# Altium PCB ccd_bottom.PcbDoc (part 3 of 3)
Units mil, origin at the board's own origin, x right, y up, seen from the top; angles counter-clockwise.
Board outline 3937.01 x 3937.01 mil, 4 copper layers (Top Layer, GND2, PWR3, Bottom Layer), stack 72.967 mil thick; 128 components, 168 nets, 680 pads, 683 vias.
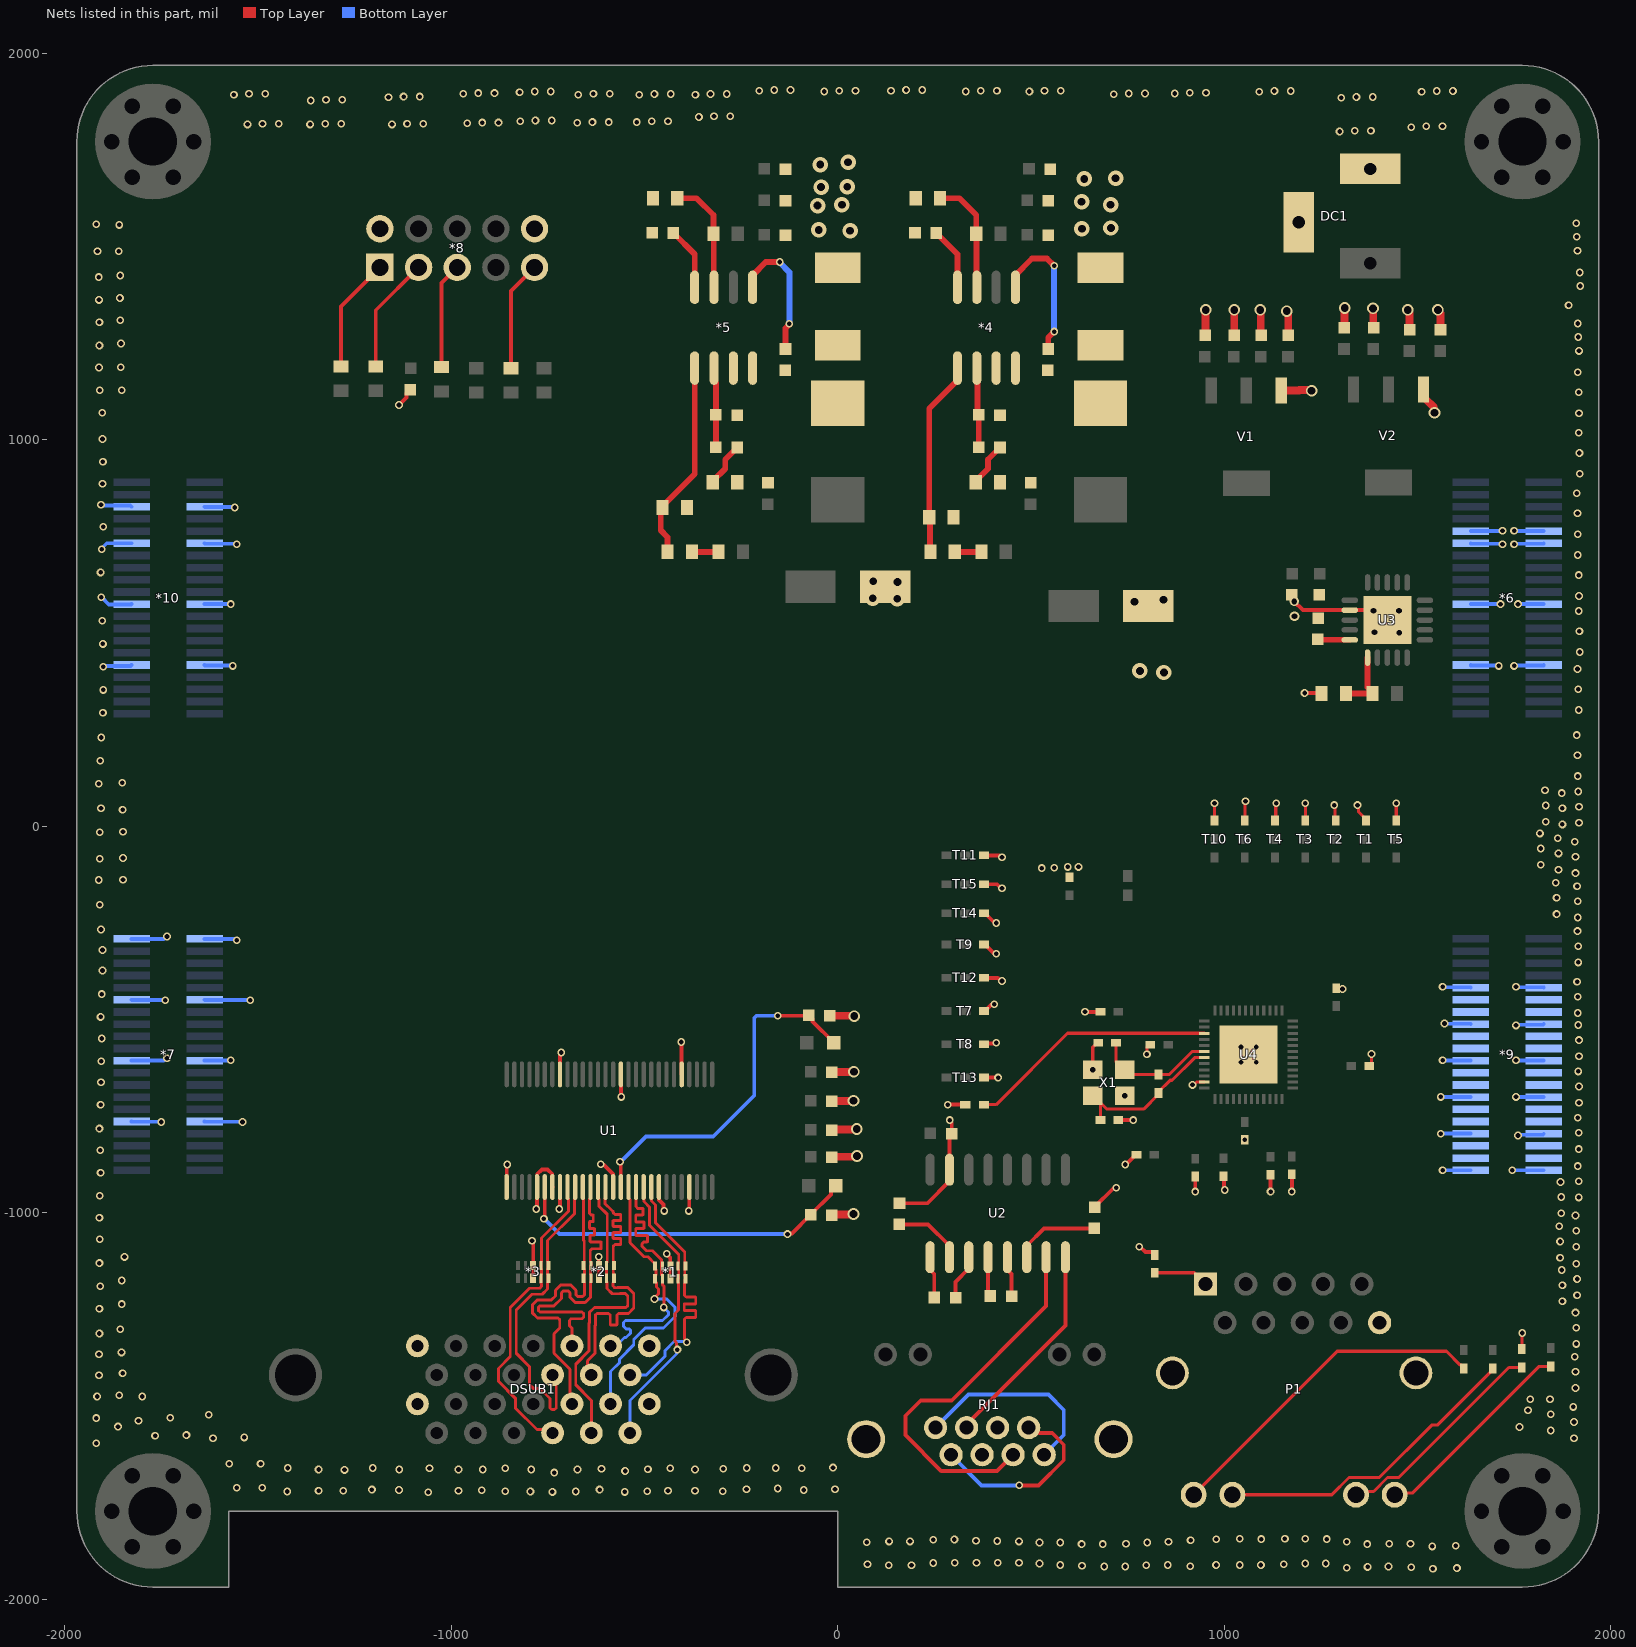
[diagram p5: the nets of this part, all layers, seen from the top]

## Via types
v1: diameter 20, hole 12, Top Layer to Bottom Layer, 590 vias
v2: diameter 25, hole 15, Top Layer to Bottom Layer, 39 vias
v3: diameter 40, hole 20, Top Layer to Bottom Layer, 28 vias
v4: diameter 30, hole 20, Top Layer to Bottom Layer, 22 vias
v5: diameter 24, hole 12, Top Layer to Bottom Layer, tented both sides, 4 vias

## Nets (pads, with @x,y where several pads share a name; then routed paths per layer and width w, separated by ;. In a path a pad name is that pad's centre, name@x,y a point inside that pad or via, vN(x,y) a via of type N, cw(c..) or ccw(c..) an arc to the next point about the centre after c; other vN are vias at no path point) (continued)
GND: *1.3 *1.8 *2.3 *2.8 *3.3 *3.8 *4.7 *5.7 *6.9 *6.10 *6.11 *6.12 *6.21 *6.22 *6.31 *6.32 *7.9 *7.10 *7.19 *7.20 *7.29 *7.30 *7.39 *7.40 *8.2 *8.10 *9.9 *9.10 *9.15 *9.16 *9.21 *9.22 *9.27 *9.28 *9.33 *9.34 *9.39 *9.40 *10.9 *10.10 *10.19 *10.20 *10.29 *10.30 *10.35 *10.36 C1.1 C2.1 C3.1 C4.1 C5.1 C6.1 C7.1 C9.1 C10.1 C13.1 C14.1 C15.1 C16.1 C18.1 C19.1 C20.1 C21.1 C22.1 C23.1 C25.1 C26.1 C27.1 C28.1 C29.1 C30.1 C31.1 C32.1 C34.1 C35.1 C36.1 C37.1 C38.1 C39.1 C40.2 C41.1 C42.1 C43.1 C44.1 C45.1 C46.1 C47.1 C48.1 C49.1 C50.1 C51.1 C52.1 C53.1 D1.A D2.A DC1.2 DC1.3 DSUB1.1 DSUB1.13 DSUB1.14 DSUB1.26 EC1.2 EC2.2 P1.10 P1.15 P1.16 R3.1 R5.1 R6.1 R9.1 R11.1 R12.2 R13.1 R24.2 R25.2 RJ1.4 RJ1.5 RJ1.13 RJ1.14 T1.2 T2.2 T3.2 T4.2 T5.2 T6.2 T7.2 T8.2 T9.2 T10.2 T11.2 T12.2 T13.2 T14.2 T15.2 U1.5 U1.13 U1.21 U1.29 U1.33 U1.35 U1.36 U1.43 U1.49 U1.53 U2.15 U3.12 U3.21 U4.47 U4.49 V1.1 V2.1 X1.2 X1.4 | length 6831.9
  Top Layer w8: v1(800,-590) 800.5,-589.5 800.5,-571 806.5,-565 C46.1@809,-565 ; v1(918,-668.96) 921.25,-668.96 928.72,-661.48 948.46,-661.48 U4.47@948.52,-661.42 ; T10.2@975,15 v1(975,60) ; T6.2@1053.33,15 1054.17,15.83 1054.17,64.17 v1(1055,65) ; T4.2@1131.67,15 1133.33,16.67 1133.33,58.33 v1(1135,60) ; T3.2@1210,15 v1(1210,60) ; v1(1285,55) 1286.67,53.33 1286.67,16.67 T2.2@1288.33,15 ; C43.1@1290,-419 1292,-421 v1(1306,-421) ; v1(1345,55) 1347.3,52.7 1347.3,37.37 1366.67,18 T1.2@1366.67,15 ; C48.1@1375,-620 1381,-614 v1(1381,-589) ; T5.2@1445,15 v1(1445,60) ; R25.2@1770,-1352 1770.5,-1351.5 1770.5,-1311.5 v1(1771,-1311)
  Top Layer w10: v1(-1135,1090) -1116,1109 -1116,1120 C39.1@-1106,1130 ; U1.29@-856.3,-933.07 -856.11,-932.88 -856.11,-876.11 v1(-855,-875) ; v1(-791,-1072) -791,-1074.71 -787.7,-1078.01 *3.8@-787.7,-1169 ; v1(-780,-990) -780,-987.29 -777.56,-984.86 U1.33@-777.56,-933.07 -777.37,-932.88 -777.37,-899.85 -765.12,-887.61 -750.62,-887.61 -738.39,-899.84 -738.39,-932.88 U1.35@-738.19,-933.07 ; v1(-720,-990) -718.7,-988.7 -718.7,-933.27 U1.36@-718.5,-933.07 ; U1.21@-718.5,-641.73 -718.5,-591.21 -715,-587.71 v1(-715,-585) ; *2.8@-618,-1169 v1(-618,-1113.61) ; v1(-613,-874) -611.09,-875.91 -604.83,-875.91 -580.91,-899.84 -580.91,-932.88 U1.43@-580.71,-933.07 ; U1.13@-561.02,-641.73 -560.83,-641.93 -560.83,-699.17 v1(-560,-700) ; U1.49@-462.6,-933.07 -462.41,-933.27 -462.41,-966.3 -450.62,-978.08 -450.62,-993.09 v1(-448.71,-995) ; v1(-442.08,-1106.08) -442.08,-1107.48 -433,-1116.55 *1.8@-433,-1170.3 ; v1(-405,-558) -403.74,-559.26 -403.74,-641.54 U1.5@-403.54,-641.73 ; v1(-385,-995) -384.06,-994.06 -384.06,-933.27 U1.53@-383.86,-933.07 ; C9.1@160,-975 232.02,-975 289.21,-917.81 U2.15@289.21,-888.28 289.21,-800.79 C7.1@295,-795 295,-767.71 290,-762.71 v1(290,-760) ; v1(285,-720) R24.2@330,-720 ; T13.2@378,-650 v1(415,-650) ; T8.2@378,-564 380.09,-561.91 408.09,-561.91 v1(410,-560) ; T7.2@378,-478 381,-478 397.09,-461.91 403.09,-461.91 v1(405,-460) ; T12.2@378,-392 414.29,-392 422.29,-400 v1(425,-400) ; T9.2@378,-306 381,-306 403.09,-328.09 408.09,-328.09 v1(410,-330) ; T14.2@378,-225 381,-225 404.09,-248.09 408.09,-248.09 v1(410,-250) ; T15.2@378,-150 412.29,-150 422.29,-160 v1(425,-160) ; T11.2@378,-75 417.29,-75 422.29,-80 v1(425,-80) ; v1(640,-480) C53.1@680,-480 ; v2(660,-630) 660,-571.5 671.5,-560 C41.1@674,-560 ; C10.1@664.65,-985.21 712.94,-936.91 719.09,-936.91 v1(721,-935) ; C42.1@726,-760 v1(765,-760) ; v1(744,-875) 745.5,-875 770.5,-850 C47.1@773,-850 ; v1(780,-1088) 782.71,-1088 796.21,-1101.5 815,-1101.5 820,-1106.5 C40.2@820,-1109 ; v1(925,-945) C49.1@925,-906 ; C52.1@998,-909 999.6,-910.61 999.6,-939.18 v1(1001.21,-940.79) ; v1(1120,-945) C50.1@1120,-901 ; v1(1175,-945) C51.1@1175,-900 ; v2(1181,582) 1203.76,559.24 U3.12@1324.89,559.24 1396.49,559.24 U3.21@1422.08,533.65 1410.35,533.65 v2(1386,558) ; v1(1208,345) 1250.73,345 R12.2@1252.08,343.65
  Top Layer w20: C3.1@-20.21,-489.65 -19.54,-490.32 42.32,-490.32 v4(43,-491) ; C5.1@-15,-1006 -13.5,-1004.5 39.5,-1004.5 v4(41,-1003) ; C1.1@-15,-856 -13.5,-854.5 48.5,-854.5 v4(50,-853) ; C2.1@-15,-786 -13.5,-784.5 47.5,-784.5 v4(49,-783) ; C6.1@-15,-711 -14.5,-710.5 40.5,-710.5 v4(41,-710) ; C4.1@-15,-636 -14.5,-635.5 41.5,-635.5 v4(42,-635) ; C21.1@951,1270 951.5,1270.5 951.5,1335.5 v4(952,1336) ; C20.1@1026,1270 v4(1026,1336) ; v4(1093,1336) 1094.5,1334.5 1094.5,1271.5 C23.1@1096,1270 ; V1.1@1147.83,1127.46 1193.46,1127.46 1195,1129 1195.09,1128.91 1224.09,1128.91 v4(1226,1127) ; v4(1162,1333) 1162,1330.29 1166,1326.29 C22.1@1166,1270 ; C25.1@1311,1290 1311.5,1290.5 1311.5,1340.5 v4(1312,1341) ; v4(1385,1340) 1385.8,1339.2 1385.8,1290.73 C26.1@1386.59,1289.94 ; v4(1475,1336) 1475,1333.29 1479.65,1328.65 C27.1@1479.65,1284.79 ; V2.1@1515.55,1130 1520.31,1125.24 1520.31,1106.54 1542.09,1084.76 1542.09,1071.91 v4(1544,1070) ; v4(1553,1336) 1553,1333.29 1559.65,1326.65 C28.1@1559.65,1284.79
  Bottom Layer w10: v1(-1906,832) -1904.09,830.09 -1830.09,830.09 *10.35@-1826.77,826.77 ; v1(-1905,593) -1885.9,573.9 -1827.67,573.9 *10.19@-1826.77,574.8 ; v1(-1904,717) -1904,719.29 -1891.01,732.28 *10.29@-1826.77,732.28 ; v1(-1900,413) -1898.09,414.91 -1829.18,414.91 *10.9@-1826.77,417.32 ; *7.9@-1826.77,-763.78 -1826.16,-764.39 -1750.61,-764.39 v1(-1750,-765) ; *7.19@-1826.77,-606.3 -1744.01,-606.3 -1737.71,-600 v1(-1735,-600) ; *7.29@-1826.77,-448.82 -1826.18,-449.41 -1740.59,-449.41 v1(-1740,-450) ; *7.39@-1826.77,-291.34 -1744.04,-291.34 -1737.71,-285 v1(-1735,-285) ; *7.10@-1637.8,-763.78 -1637.19,-764.39 -1540.61,-764.39 v1(-1540,-765) ; *7.20@-1637.8,-606.3 -1637.15,-605.65 -1570.65,-605.65 v1(-1570,-605) ; *7.30@-1637.8,-448.82 -1637.2,-449.41 -1520.59,-449.41 v1(-1520,-450) ; *7.40@-1637.8,-291.34 -1561.37,-291.34 -1557.71,-295 v1(-1555,-295) ; *10.10@-1637.8,417.32 -1636.63,416.16 -1566.16,416.16 v1(-1565,415) ; *10.20@-1637.8,574.8 -1637.7,574.9 -1570.1,574.9 v1(-1570,575) ; *10.30@-1637.8,732.28 -1636.65,731.14 -1556.14,731.14 v1(-1555,730) ; *10.36@-1637.8,826.77 -1636.91,825.89 -1560.89,825.89 v1(-1560,825) ; v1(1560,-795) 1560.14,-795.14 1637.66,-795.14 *9.34@1637.8,-795.28 ; v1(1560,-700) 1560.39,-700.39 1637.4,-700.39 *9.28@1637.8,-700.79 ; v1(1565,-890) 1565.12,-889.88 1637.68,-889.88 *9.40@1637.8,-889.77 ; v1(1565,-605) 1565.65,-605.65 1637.15,-605.65 *9.22@1637.8,-606.3 ; v1(1565,-415) 1566.16,-416.16 1636.63,-416.16 *9.10@1637.8,-417.32 ; v1(1570,-510) 1570.91,-510.91 1636.89,-510.91 *9.16@1637.8,-511.81 ; *6.32@1637.8,417.32 1638.96,416.16 1708.84,416.16 v1(1710,415) ; *6.22@1637.8,574.8 1637.89,574.9 1714.9,574.9 v1(1715,575) ; *6.12@1637.8,732.28 1638.94,731.14 1718.86,731.14 v1(1720,730) ; *6.10@1637.8,763.78 1638.4,764.39 1719.39,764.39 v1(1720,765) ; v1(1745,-890) 1745.12,-889.88 1826.65,-889.88 *9.39@1826.77,-889.77 ; v1(1750,415) 1751.16,416.16 1825.61,416.16 *6.31@1826.77,417.32 ; v1(1750,730) 1751.14,731.14 1825.63,731.14 *6.11@1826.77,732.28 ; v1(1750,765) 1750.61,764.39 1826.16,764.39 *6.9@1826.77,763.78 ; v1(1755,-700) 1755.39,-700.39 1826.38,-700.39 *9.27@1826.77,-700.79 ; v1(1755,-605) 1755.65,-605.65 1826.12,-605.65 *9.21@1826.77,-606.3 ; v1(1755,-515) 1756.59,-513.41 1825.18,-513.41 *9.15@1826.77,-511.81 ; v1(1755,-415) 1756.16,-416.16 1825.61,-416.16 *9.9@1826.77,-417.32 ; v1(1760,-800) 1761.91,-798.09 1823.96,-798.09 *9.33@1826.77,-795.28 ; v1(1760,575) 1760.1,574.9 1826.67,574.9 *6.21@1826.77,574.8
  other v1: 1540,-1921 1602,-1919 1317,-1918 1484,-1917 1371,-1916 690,-1915 744,-1915 1425,-1915 912,-1914 632,-1913 132,-1912 191,-1912 798,-1912 576,-1911 854,-1911 979,-1911 1040,-1911 1095,-1911 77,-1909 1154,-1909 522,-1907 1210,-1907 1263,-1907 247,-1906 303,-1905 359,-1905 414,-1905 469,-1905 1538,-1863 1599,-1861 631,-1857 686,-1857 1370,-1857 746,-1856 1427,-1856 1482,-1856 522,-1853 576,-1853 801,-1853 75,-1852 856,-1851 1317,-1851 133,-1850 187,-1850 469,-1850 413,-1849 358,-1848 913,-1847 247,-1846 302,-1845 979.47,-1844.58 1096,-1844 1265,-1844 1040,-1843 1157,-1843 1210,-1843 -1059,-1723 -738,-1722 -551,-1722 -1424,-1721 -795,-1721 -678,-1721 -860,-1720 -493,-1720 -297,-1720 -1343,-1719 -1279,-1719 -981,-1719 -439,-1719 -369,-1719 -921,-1718 -1135,-1717 -88,-1717 -1205,-1716 -616,-1716 -236,-1715 -7,-1715 -155,-1713 -1555,-1711 -1489,-1711 -733,-1672 -550,-1668 -1276,-1665 -1343,-1664 -1134,-1664 -981,-1664 -918,-1664 -793,-1664 -673,-1664 -369,-1664 -491,-1663 -611,-1662 -296,-1662 -1056,-1661 -860,-1661 -433,-1661 -93,-1661 -1423,-1660 -1203,-1660 -235,-1660 -160,-1660 -12,-1659 -1574,-1649 -1493,-1649 -1918,-1596 -1616,-1583 1905,-1583 -1535,-1581 -1766,-1577 -1685,-1575 1845,-1563 1764,-1554 -1862,-1553 1905,-1541 -1809,-1538 -1918,-1531 -1727,-1530 -1627,-1522 1845,-1521 1786,-1511 1903,-1502 1792,-1482 1843,-1482 -1916,-1475 -1799,-1475 -1859,-1472 1909,-1453 -1911,-1420 -1850,-1415 1909,-1411 1907,-1372 -1911,-1366 -1853,-1361 1911,-1339 -1910,-1312 -1856,-1301 1911,-1297 1909,-1258 -1910,-1248 -1852,-1236 1875,-1229 1913,-1213 -1908,-1190 1875,-1187 -1852,-1175 1913,-1171 1873,-1148 1911,-1132 -1910,-1130 1869,-1116 -1845,-1114 1911,-1088 1869,-1074 -1909,-1068 1911,-1046 1867,-1035 -1910,-1013 1909,-1007 1872,-1001 1917,-960 1872,-959 -1909,-956 1870,-920 1917,-918 -1907,-896 1915,-879 -1908,-838 1917,-835 1053,-811 1917,-793 -1910,-782 1915,-754 -1907,-720 1918,-715 1918,-673 -1906,-662 1916,-634 -1905,-608 1918,-595 1918,-553 -1904,-549 1916,-514 -1907,-493 1915,-483 1915,-441 -1904,-434 1913,-402 -1902,-373 1916,-352 -1902,-320 1916,-310 1914,-271 -1906,-267 1915,-236 1860,-227 -1909,-203 1915,-194 1860,-185 1913,-155 1858,-146 -1912,-139 -1849,-138 1909,-121 1865,-112 528,-108 560,-107 595,-105 623,-105 1818.81,-99.25 -1909,-84 -1849,-82 1909,-79 1865,-70 1818.81,-57.25 1907,-40 1863,-31 1816.81,-18.25 -1909,-15 -1849,-14 1875,5 1918,9 1832,12 -1850,43 -1906,47 1875,47 1918,51 1832,54 1873,86 1916,90 1830,93 -1912,110 -1851,113 1915,130 -1908,170 1914,184 -1905,230 1912,236 -1901,294 1917,301 -1900,353 1916,355 1914,407 1920,451 -1901,472 1919,505 -1903,532 1917,557 1918,596 1917,650 -1907,657 1915,702 1915,756 -1900,775 1914,810 1912,862 -1902,886 1920,912 -1901,943 1919,966 -1902,1002 1917,1018 1918,1069 -1903,1070 1917,1123 -1909,1128 -1852,1128 1915,1175 -1911,1187 -1855,1188 1918,1230 -1910,1244 -1854,1249 1916,1266 1915,1301 -1910,1304 -1856,1309 1891,1348 -1911,1362 -1857,1367 1921,1398 -1912,1421 -1856,1425 1920,1433 -1915,1488 -1860,1488 1914,1489 1912,1525 -1859,1556 -1918,1558 1911,1560 1298.55,1797.78 1337.55,1799.78 1379.55,1799.78 1483.88,1808.94 1522.88,1810.94 1564.88,1810.94 -1527,1816 -1365,1816 -1153,1816 -1488,1818 -1446,1818 -1326,1818 -1284,1818 -1114,1818 -1072,1818 -958.43,1818.66 -673.57,1820.03 -919.43,1820.66 -877.43,1820.66 -634.57,1822.03 -592.57,1822.03 -520,1822 -821,1824 -481,1824 -439,1824 -782,1826 -740,1826 -359,1835 -320,1837 -278,1837 -1362.92,1877.7 -1323.92,1879.7 -1281.92,1879.7 1303.02,1884.86 -1162,1886 1342.02,1886.86 1384.02,1886.86 -1123,1888 -1081,1888 -1562,1893 -671,1893 -513.16,1892.54 -368.13,1892.54 714,1894 -1523,1895 -1481,1895 -969,1895 -632,1895 -590,1895 -474.16,1894.54 -432.16,1894.54 -329.13,1894.54 -287.13,1894.54 753,1896 795,1896 872,1896 -930,1897 -888,1897 911,1898 953,1898 -823,1899 1090.9,1900.49 1510.67,1900.49 -784,1901 -742,1901 -35,1901 331,1901 496,1901 1129.9,1902.49 1171.9,1902.49 1549.67,1902.49 1591.67,1902.49 -203,1903 4,1903 46,1903 138,1903 370,1903 412,1903 535,1903 577,1903 -164,1905 -122,1905 177,1905 219,1905
  other v2: 742.68,-696.93 1453,501 1389,502 1182.08,543.65 1452,558
  other v3: 844,398 782,402 768,581 843,586 154,589 91,590 155,632 92,634 32,1541 -49,1543 632,1546 707,1548 -52,1606 11,1608 706,1608 631,1616 -43,1654 25,1655 638,1675 719,1677 -45,1712 27,1718
  other v5: 1043.31,-610.24 1082.68,-610.24 1043.31,-570.87 1082.68,-570.87
MGT_CLK_N: *9.11
MGT_CLK_P: *9.13
MGT_RX0_N: *9.17
MGT_RX0_P: *9.19
MGT_RX1_N: *9.18
MGT_RX1_P: *9.20
MGT_RX2_N: *9.29
MGT_RX2_P: *9.31
MGT_RX3_N: *9.30
MGT_RX3_P: *9.32
MGT_TX0_N: *9.23
MGT_TX0_P: *9.25
MGT_TX1_N: *9.24
MGT_TX1_P: *9.26
MGT_TX2_N: *9.35
MGT_TX2_P: *9.37
MGT_TX3_N: *9.36
MGT_TX3_P: *9.38
Net*4_1: *4.1 C12.1 | length 378.2
  Top Layer w15: *4.1@460,1394.49 460,1425.98 502.8,1468.79 541.21,1468.79 v1(560,1450) ; C12.1@545,1235 545,1265 v1(560,1280)
  Bottom Layer w15: v1(560,1280) v1(560,1450)
Net*4_3: *4.3 R2.1 R3.2 | length 299.2
  Top Layer w15: R3.2@265,1625 315,1625 358.5,1581.5 R2.1@358.5,1533.5 359.25,1532.76 359.25,1395.24 *4.3@360,1394.49
Net*4_4: *4.4 C19.2 | length 163.3
  Top Layer w15: C19.2@255,1535 310,1480 *4.4@310,1394.49
Net*4_5: *4.5 R4.1 R6.2 | length 507
  Top Layer w15: R4.1@240,710 238.5,711.5 238.5,798.5 R6.2@237.01,800 237.01,1081.02 310,1154.02 *4.5@310,1185.51
Net*4_6: *4.6 C17.2 C18.2 | length 206.6
  Top Layer w15: *4.6@360,1185.51 361.65,1183.86 361.65,1068.35 C18.2@365,1065 C17.2@365,981
Net*4_8: *4.8 C12.2 D1.K L3.1
Net*5_1: *5.1 C24.1 | length 355.1
  Top Layer w15: *5.1@-220,1394.49 -220,1425.98 -185.98,1460 v1(-150,1460) ; C24.1@-135,1235 -135,1288.65 -125,1298.65 v1(-125,1300)
  Bottom Layer w15: v1(-150,1460) -150,1458.65 -125,1433.65 v1(-125,1300)
Net*5_3: *5.3 R8.1 R9.2 | length 299.2
  Top Layer w15: R9.2@-415,1625 -365,1625 -321.5,1581.5 R8.1@-321.5,1533.5 -320.75,1532.76 -320.75,1395.24 *5.3@-320,1394.49
Net*5_4: *5.4 C35.2 | length 163.3
  Top Layer w15: C35.2@-425,1535 -370,1480 *5.4@-370,1394.49
Net*5_5: *5.5 R10.1 R13.2 | length 516.2
  Top Layer w15: R13.2@-452.99,825 -458,819.99 -458,766 -440,748 R10.1@-440,710 ; R13.2@-452.99,828.25 -370,911.24 *5.5@-370,1185.51
Net*5_6: *5.6 C33.2 C34.2 | length 206.6
  Top Layer w15: *5.6@-320,1185.51 -320,1151.68 -315,1146.68 C34.2@-315,1065 C33.2@-315,981
Net*5_8: *5.8 C24.2 D2.K L4.1
Net*8_1: *8.1 R17.2 | length 297.8
  Top Layer w10: R17.2@-1285,1190 -1285,1345.31 *8.1@-1184.25,1446.06
Net*8_3: *8.3 R18.2 | length 301.9
  Top Layer w10: R18.2@-1195,1190 -1195,1335.31 *8.3@-1084.25,1446.06
Net*8_5: *8.5 R19.2 | length 274.9
  Top Layer w10: R19.2@-1025,1187.99 -1025,1405.31 *8.5@-984.25,1446.06
Net*8_9: *8.9 R20.2 | length 286.2
  Top Layer w10: R20.2@-845,1185 -845,1385.31 *8.9@-784.25,1446.06
NetC3_2: C3.2 L1.1 U1.44 | length 926.4
  Top Layer w10: v1(-563,-868) -561.22,-869.78 -561.22,-932.88 U1.44@-561.02,-933.07 ; v1(-155,-490) -76.57,-490 C3.2@-75.21,-488.65 -65.21,-498.65 -65.21,-504.79 L1.1@-10,-560
  Bottom Layer w10: v1(-563,-868) -562,-868 -496,-802 -322,-802 -216,-696 -216,-495.86 -210.14,-490 v1(-155,-490)
NetC5_2: C5.2 L2.1 U1.34 | length 912
  Top Layer w10: v1(-760,-1015) -760,-1012.29 -757.87,-1010.17 U1.34@-757.87,-933.07 ; v1(-130,-1055) -128.09,-1053.09 -118.09,-1053.09 C5.2@-70,-1005 -17.5,-952.5 -17.5,-942.5 L2.1@-5,-930
  Bottom Layer w10: v1(-760,-1015) -720,-1055 v1(-130,-1055)
NetC8_1: C8.1 U2.3 | length 119.5
  Top Layer w10: C8.1@305,-1220 305,-1178.4 339.21,-1144.19 U2.3@339.21,-1114.66
NetC8_2: C8.2 U2.1 | length 108.8
  Top Layer w10: U2.1@239.21,-1114.66 239.21,-1147.88 250,-1158.66 C8.2@250,-1219
NetC9_2: C9.2 U2.2 | length 182.6
  Top Layer w10: C9.2@159,-1030 234.08,-1030 289.21,-1085.13 U2.2@289.21,-1114.66
NetC10_2: C10.2 U2.6 | length 222.6
  Top Layer w10: U2.6@489.21,-1114.66 489.21,-1085.13 534.13,-1040.21 C10.2@663.65,-1040.21
NetC11_1: C11.1 U2.5 | length 105.8
  Top Layer w10: U2.5@439.21,-1114.66 439.21,-1147.88 450,-1158.66 C11.1@450,-1216
NetC11_2: C11.2 U2.4 | length 102.7
  Top Layer w10: U2.4@389.21,-1114.66 389.21,-1209.21 C11.2@395,-1215
NetC17_1: C17.1 R5.2 | length 116.1
  Top Layer w15: R5.2@357.01,890 357.01,893.25 388.88,925.12 388.88,948.88 C17.1@420,980
NetC33_1: C33.1 R11.2 | length 116.1
  Top Layer w15: R11.2@-322.99,890 -322.99,893.25 -291.12,925.12 -291.12,948.88 C33.1@-260,980
NetC38_2: C38.2 U3.15 | length 70
  Top Layer w15: C38.2@1254.9,482.47 U3.15@1324.89,482.47
NetC40_1: C40.1 P1.1 | length 143.5
  Top Layer w10: C40.1@820,-1155 922.4,-1155 P1.1@951.47,-1184.07
NetC41_2: C41.2 R26.1 U4.42 X1.1 | length 315.9
  Top Layer w8: C41.2@720,-560 720,-609.29 740.71,-630 X1.1@742.68,-630 754.69,-642.01 R26.1@830,-642.01 858.08,-642.01 917.41,-582.68 U4.42@948.52,-582.68
NetC42_2: C42.2 R26.2 U4.43 X1.3 | length 405
  Top Layer w8: X1.3@660,-696.93 661.97,-696.93 696.59,-731.55 791.46,-731.55 830,-693.01 R26.2@830,-690.01 830,-687.01 860,-657.01 864.91,-657.01 923.43,-598.48 948.46,-598.48 U4.43@948.52,-598.42 ; C42.2@680,-760 X1.3@680,-716.55
NetP1_11: P1.11 R21.1 | length 873.1
  Top Layer w8: P1.11@921.1,-1729.31 1292.42,-1358 1575,-1358 1611,-1394 1614,-1394 1620,-1400 R21.1@1620,-1403
NetP1_12: P1.12 R22.1 | length 810.8
  Top Layer w8: P1.12@1021.1,-1729.31 1278.22,-1729.31 1322.68,-1684.85 1401.47,-1684.85 1537.9,-1548.42 1552.58,-1548.42 1695,-1406 R22.1@1695,-1403
NetP1_13: P1.13 R25.1 | length 565.3
  Top Layer w8: P1.13@1341.1,-1729.31 1349.45,-1720.97 1386.57,-1720.97 1422.68,-1684.85 1451.71,-1684.85 1736.56,-1400 R25.1@1770,-1400
NetP1_14: P1.14 R23.1 | length 541.1
  Top Layer w8: P1.14@1441.1,-1729.31 1445.3,-1725.11 1486.57,-1725.11 1813.68,-1398 R23.1@1845,-1398
NetR1_1: R1.1 R4.2 | length 69
  Top Layer w15: R4.2@302.99,710 R1.1@372.01,710
NetR7_1: R7.1 R10.2 | length 69
  Top Layer w15: R10.2@-377.01,710 R7.1@-307.99,710
NetR12_1: R12.1 R14.2 U3.16 | length 167.3
  Top Layer w15: R12.1@1315.07,343.65 R14.2@1384.09,343.65 1384.09,346.9 1370.9,360.08 U3.16@1370.9,436.47
NetR24_1: R24.1 U4.39 | length 647
  Top Layer w8: R24.1@378,-720 410,-720 594.57,-535.43 U4.39@948.52,-535.43
NetRJ1_1: RJ1.1 RJ1.8 | length 520.7
  Bottom Layer w10: RJ1.8@253.15,-1555.71 338.86,-1470 545,-1470 585,-1510 585,-1575.04 RJ1.1@534.25,-1625.79
NetRJ1_2: RJ1.2 RJ1.7 | length 500.7
  Top Layer w10: v1(470,-1705) 520,-1705 585,-1640 585,-1600 555,-1570 521.91,-1570 507.62,-1555.71 RJ1.2@494.09,-1555.71
  Bottom Layer w10: RJ1.7@293.31,-1625.79 372.52,-1705 v1(470,-1705)
RX: RJ1.6 U2.8 | length 547
  Top Layer w10: RJ1.6@333.46,-1555.71 333.46,-1547.1 589.21,-1291.35 U2.8@589.21,-1114.66
TX: RJ1.3 U2.7 | length 992.8
  Top Layer w10: RJ1.3@453.94,-1625.79 411.94,-1667.79 267.79,-1667.79 175,-1575 175,-1525 215,-1485 295,-1485 539.21,-1240.79 U2.7@539.21,-1114.66
X0+: *1.2 *1.9 DSUB1.15 U1.47 | length 733.5
  Top Layer w7.5: U1.47@-501.97,-933.07 -501.97,-961.98 -501.3,-962.65 -501.3,-970.89 -486.63,-985.55 -486.63,-1032.02 -411.2,-1107.46 -411.2,-1127.65 -413.3,-1129.75 *1.2@-413.3,-1137.7 -413.3,-1145.65 -411.8,-1147.15 -411.2,-1147.15 *1.9@-411.2,-1170.3 ; v1(-414.69,-1353.72) -417.08,-1351.33 -417.08,-1336.22 -420.94,-1332.36 -420.94,-1260.46 -411.83,-1251.35 -411.83,-1179.72 -413.1,-1178.45 *1.9@-413.1,-1170.3
  Bottom Layer w7.5: DSUB1.15@-537.4,-1569.19 -537.4,-1485.41 -417.08,-1365.09 -417.08,-1356.11 v1(-414.69,-1353.72)
X0-: *1.1 *1.10 DSUB1.2 U1.48 | length 734.3
  Top Layer w7.5: U1.48@-482.28,-933.07 -481.61,-933.75 -481.61,-969.37 -471.13,-979.84 -471.13,-1025.6 -395.7,-1101.03 -395.7,-1125.7 -395.35,-1126.05 -395.35,-1135.95 *1.1@-393.6,-1137.7 -395.35,-1139.45 -395.35,-1146.8 -395.7,-1147.15 -395.7,-1160.85 *1.10@-396.2,-1161.35 ; *1.10@-393.6,-1170.3 -395.35,-1172.05 -395.35,-1181.95 -395.98,-1182.58 -395.98,-1189 -395.98,-1213.46 -391.59,-1217.86 -368.15,-1217.86 -367.27,-1218.73 -367.27,-1234.48 -368.15,-1235.36 -395.95,-1235.36 -396.83,-1236.23 -396.83,-1251.98 -395.95,-1252.86 -368.15,-1252.86 -367.27,-1253.73 -367.27,-1269.48 -368.15,-1270.36 -391.59,-1270.36 -395.98,-1274.75 -395.98,-1296 -395.98,-1326.09 -390.45,-1331.62 v1(-390.45,-1335)
  Bottom Layer w7.5: DSUB1.2@-537.4,-1419.19 -495.19,-1419.19 -447.12,-1371.12 -447.12,-1356.81 -423.28,-1332.97 -392.48,-1332.97 v1(-390.45,-1335)
X1+: *1.5 *1.6 DSUB1.16 U1.45 | length 732.4
  Top Layer w7.5: U1.45@-541.34,-933.07 -541.34,-961.98 -537.47,-965.85 -537.47,-1077.14 -500.98,-1113.62 -491.08,-1113.62 -472.4,-1132.3 *1.5@-472.4,-1137.7 -470.65,-1139.45 -470.65,-1146.8 -470.3,-1147.15 -470.3,-1160.85 *1.6@-470.65,-1161.2 ; v1(-474,-1223) -474,-1219.62 -463.83,-1209.45 -463.83,-1196.9 -468.68,-1192.06 -468.68,-1180.42 -472.4,-1176.7 *1.6@-472.4,-1170.3
  Bottom Layer w7.5: DSUB1.16@-587.4,-1494.19 -587.4,-1410.21 -564.03,-1386.84 -564.03,-1377.79 -527.68,-1341.43 -527.68,-1327.51 -498.06,-1297.89 -450.97,-1297.89 -420.99,-1267.91 -420.99,-1244.01 -442,-1223 v1(-474,-1223)
X1-: *1.4 *1.7 DSUB1.3 U1.46 | length 737.2
  Top Layer w7.5: U1.46@-521.65,-933.07 -521.97,-933.39 -521.97,-974 -521.97,-983.86 -517.57,-988.25 -504.63,-988.25 -503.76,-989.12 -503.76,-1004.87 -504.63,-1005.75 -521.59,-1005.75 -522.47,-1006.62 -522.47,-1022.37 -521.59,-1023.25 -502.01,-1023.25 -501.13,-1024.12 -501.13,-1039.87 -502.01,-1040.75 -521.59,-1040.75 -522.47,-1041.62 -522.47,-1057.37 -521.59,-1058.25 -492.84,-1058.25 -491.97,-1059.12 -491.97,-1074.87 -492.84,-1075.75 -501.94,-1075.75 -506.33,-1080.14 -506.33,-1086.35 -495.69,-1097 -494.56,-1098.12 -479.37,-1098.12 -455.3,-1122.2 -455.3,-1137.7 -455.3,-1160.85 -454.2,-1160.85 *1.7@-452.7,-1162.35 ; *1.7@-452.7,-1170.3 -452.7,-1178.25 -453.68,-1179.23 -453.68,-1185.84 -448.83,-1190.69 -448.83,-1243.75 v1(-449.71,-1244.63)
  Bottom Layer w7.5: DSUB1.3@-566.59,-1342.85 -577.67,-1353.93 DSUB1.3@-587.4,-1344.19 -573.45,-1344.19 -551.73,-1322.47 -547.47,-1322.47 -535.61,-1310.61 -535.61,-1304.39 -540,-1300 -547.61,-1300 -554,-1293.61 -554,-1284 -548.85,-1278.85 -453.15,-1278.85 -438,-1263.71 -438,-1257 -449.71,-1245.29 v1(-449.71,-1244.63) v1@-447.13,-1244.63
X2+: *2.2 *2.9 DSUB1.17 U1.41 | length 810.4
  Top Layer w7.5: DSUB1.17@-637.4,-1569.19 -637.4,-1485.21 -677.68,-1444.93 -677.68,-1391.43 -643.18,-1356.93 -643.18,-1308.02 -643,-1307.84 -643,-1285.63 -642.5,-1285.13 -642.5,-1257.97 -629.03,-1244.5 -547.39,-1244.5 -543,-1240.11 -543,-1215 -548.87,-1209.12 -562.84,-1209.12 -562.96,-1209.25 -583.18,-1209.25 -596.65,-1195.78 -596.65,-1178.6 -598.3,-1176.95 *2.2@-598.3,-1136.4 -598.3,-1128.45 -596.2,-1126.35 -596.2,-1003.8 -617.99,-982.01 -617.99,-964.07 -620.08,-961.98 U1.41@-620.08,-933.07
X2-: *2.1 *2.10 DSUB1.4 U1.42 | length 807
  Top Layer w7.5: DSUB1.4@-637.4,-1419.19 -647.14,-1409.46 -647.14,-1382.81 -627.68,-1363.35 -627.68,-1301.6 ; -627.5,-1301.6 -627.5,-1292.05 -627,-1291.55 -627,-1264.39 -622.61,-1260 -614,-1260 -592.75,-1260 -588.36,-1264.39 -588.36,-1289.12 -587.48,-1290 -571.73,-1290 -570.86,-1289.12 -570.86,-1264.39 -566.46,-1260 -540.97,-1260 -527.5,-1246.53 -527.5,-1208.58 -542.45,-1193.62 -569.26,-1193.62 -569.38,-1193.75 -576.76,-1193.75 -581.15,-1189.36 -581.15,-1181.45 -580.35,-1180.65 -580.35,-1172.76 -577.59,-1170.01 -580.35,-1167.25 -580.35,-1155.15 -580.7,-1154.8 -580.7,-1145.85 -580.35,-1145.5 -580.35,-1138.15 *2.1@-578.6,-1136.4 -580.35,-1134.65 -580.35,-1124.75 -580.7,-1124.4 -580.7,-1086.15 -576.31,-1081.76 -562.05,-1081.76 -561.28,-1080.98 -561.28,-1067.03 -562.05,-1066.26 -580.43,-1066.26 -581.2,-1065.48 -581.2,-1051.53 -580.43,-1050.76 -562.05,-1050.76 -561.28,-1049.98 -561.28,-1036.03 -562.05,-1035.26 -580.43,-1035.26 -581.2,-1034.48 -581.2,-1020.53 -580.43,-1019.76 -562.05,-1019.76 -561.28,-1018.98 -561.28,-1005.03 -562.05,-1004.26 -576.31,-1004.26 -580.7,-999.86 -580.7,-997.38 -585.22,-992.86 -602.49,-975.59 -602.49,-964.07 -600.39,-961.98 U1.42@-600.39,-933.07
X3+: *3.2 *3.9 DSUB1.19 U1.37 | length 808
  Top Layer w7.5: DSUB1.19@-737.4,-1569.19 -746.22,-1560.38 -778.18,-1560.38 -834,-1504.56 -834,-1479.56 -877.68,-1435.88 -877.68,-1402.51 -847.12,-1371.95 -847.12,-1245.12 -797,-1195 -770.75,-1195 -766.35,-1190.61 -766.35,-1184.39 -767.8,-1182.95 -767.8,-1169.2 *3.9@-768,-1169 -768,-1161.05 -766.5,-1159.55 -765.9,-1159.55 -765.9,-1145.85 -766.5,-1145.85 -768,-1144.35 *3.2@-768,-1136.4 -768,-1128.45 -765.9,-1126.35 -765.9,-1065.24 -696.73,-996.07 -696.73,-964.07 -698.82,-961.98 U1.37@-698.82,-933.07
X3-: *3.1 *3.10 DSUB1.6 U1.38 | length 808.7
  Top Layer w7.5: DSUB1.6@-737.4,-1419.19 -728,-1428.59 -728,-1504.61 -732.39,-1509 -739.61,-1509 -744,-1504.61 -744,-1480.63 -770.72,-1453.92 -787.69,-1453.92 -797,-1444.61 -797,-1398 -831.62,-1363.38 -831.62,-1251.54 -790.58,-1210.5 -764.33,-1210.5 -750.85,-1197.03 -750.85,-1181.45 -750.05,-1180.65 -750.05,-1170.75 *3.10@-748.3,-1169 -750.05,-1167.25 -750.05,-1159.9 -750.4,-1159.55 -750.4,-1145.85 -750.05,-1145.5 -750.05,-1138.15 *3.1@-748.3,-1136.4 -750.05,-1134.65 -750.05,-1124.75 -750.4,-1124.4 -750.4,-1071.67 -681.23,-1002.49 -681.23,-964.07 -679.13,-961.98 U1.38@-679.13,-933.07
XADC_VN: *9.12
XADC_VP: *9.14
XCK+: *2.5 *2.6 DSUB1.18 U1.39 | length 809.2
  Top Layer w7.5: DSUB1.18@-687.4,-1494.19 -692.18,-1489.42 -692.18,-1404.87 -734,-1363.05 -734,-1313 -719,-1298 -719,-1276.39 -723.39,-1272 -776.53,-1272 -790,-1258.53 -790,-1238.47 -776.53,-1225 -740,-1225 -729.96,-1214.96 -729.96,-1200.47 -716.49,-1187 -690.47,-1187 -677,-1200.47 -677,-1211.91 -672.61,-1216.3 -659.69,-1216.3 -655.3,-1211.91 -655.3,-1181 -655.65,-1180.65 -655.65,-1170.75 *2.6@-657.4,-1169 -655.65,-1167.25 -655.65,-1159.9 -655.3,-1159.55 -655.3,-1145.85 -655.65,-1145.5 -655.65,-1073.51 -657.36,-1071.8 -657.36,-964.07 -659.45,-961.98 U1.39@-659.45,-933.07
XCLK-: *2.4 *2.7 DSUB1.5 U1.40 | length 810.5
  Top Layer w7.5: DSUB1.5@-687.4,-1344.19 -687.4,-1298.6 -694,-1292 -694,-1278.39 -689.61,-1274 -661.39,-1274 -657,-1269.61 -657,-1260.89 -661.39,-1256.5 -689.15,-1256.5 -770.11,-1256.5 -774.5,-1252.11 -774.5,-1244.89 -770.11,-1240.5 -733.58,-1240.5 -714.46,-1221.38 -714.46,-1206.89 -710.07,-1202.5 -696.89,-1202.5 -692.5,-1206.89 -692.5,-1218.33 -679.03,-1231.8 -653.27,-1231.8 -639.8,-1218.33 -639.8,-1179.05 -637.7,-1176.95 *2.7@-637.7,-1169 -637.7,-1161.05 -639.2,-1159.55 -639.8,-1159.55 *2.4@-639.8,-1136.4 ; U1.40@-639.76,-933.07 -639.76,-961.98 -641.86,-964.07 -641.86,-974 -641.86,-1000.96 -637.46,-1005.36 -633.36,-1005.36 -632.49,-1006.23 -632.49,-1021.98 -633.36,-1022.86 -641.48,-1022.86 -642.36,-1023.73 -642.36,-1039.48 -641.48,-1040.36 -630.41,-1040.36 -629.54,-1041.23 -629.54,-1056.98 -630.41,-1057.86 -639.78,-1057.86 -640.65,-1058.73 -640.65,-1074.48 -639.78,-1075.36 -612.73,-1075.36 -611.86,-1076.23 -611.86,-1091.98 -612.73,-1092.86 -635.76,-1092.86 -640.15,-1097.25 -640.15,-1118.5 -640.15,-1126 -637.9,-1128.25 *2.4@-637.9,-1136.4
pads on no net: *3.4 *3.5 *3.6 *3.7 *6.38 *6.40 *8.6 *8.7 *8.8 *9.2 DSUB1.7 DSUB1.8 DSUB1.9 DSUB1.10 DSUB1.11 DSUB1.12 DSUB1.20 DSUB1.21 DSUB1.22 DSUB1.23 DSUB1.24 DSUB1.25 DSUB1.27 DSUB1.28 SP1.1 SP2.1 SP3.1 SP4.1 U1.15 U1.16 U1.18 U1.19 U1.20 U1.22 U1.23 U1.24 U2.11 U2.12 U2.13 U2.14 U3.2 U3.3 U3.4 U3.9 U3.13 U3.14 U3.17 U4.12 U4.46

## Polygon pours and split planes (outlines as drawn)
GND on Top Layer "GND_L01_P054" (solid, remove dead copper, pour order 54): -1564,-1116 -1427,-1253 -1427,-1292 90,-1292 108.58,-1310.58 806.24,-1310.58 806.24,-1272.76 949,-1130 965,-1146 1841,-1146 1973,-1278 1973,-1958 -2093,-1958 -2082,-1947 -2082,-1378
GND on Top Layer "GND_L01_P053" (solid, remove dead copper, pour order 53): -1965,1536 -1978,1523 -1978,-1960 -1607,-1960 -1593,-1974 -1583,-1964 -1514,-1964 -1514,1520 -1501,1533
GND on Top Layer "GND_L01_P052" (solid, remove dead copper, pour order 52): -1993,2006 -1970,1983 -1970,1368 -539,1368 -521,1350 -521,723 -504,723 -109,368 -90,361 1507,361 1507,-1074 1501,-1080 1504,-1083 1504,-1984 2004,-1984 2011,-1977 1985,-1951 1985,1983
+12 on Top Layer "+12_L01_P025" (solid, remove dead copper, pour order 25): -295,1750 -295,1840 1065,1840 1075,1830 1075,1535 1100,1510 1721,1510 1721,1395 955,1395 955,1725 935,1745
+5 on Top Layer (solid, remove dead copper, pour order 1): 675,630 910,630 910,365 1160,365 1178.59,383.59 1178.59,486.81 1175.4,490 1110,490 1110,500 1110,510 1110,635 1295,635 1295,580 1300,575 1350,575 1350,610 1480,610 1480,580.33 1490.33,570 1565,570 1565,800 1550,815 1355,815 1355,1200 1405,1200 1410,1205 1410,1255 1285,1255 1285,1090 1270,1075 1270,845 965,845 960,840 960,1090 990,1090 995,1085 995,1180 1045,1180 1050,1185 1050,1235 850,1235 850,795 825,770 710,770 675,735
3v3 on Top Layer "3V3_L01_P047" (solid, remove dead copper, pour order 47): 770,-101 775,-106 775,-150 662.5,-150 655,-142.5 655,-70 650,-65 439,-65 439,102 572,102 609,65
GND on Top Layer "GND_L01_P043" (solid, remove dead copper, pour order 43): 734,611 734,391 734,366 885.19,366 884.84,611
GND on Top Layer "GND_L01_P042" (solid, remove dead copper, pour order 42): 55,666 55,526 314,526 321,533 321,665
1v8 on Top Layer (solid, remove dead copper, pour order 41): 769,-1017 1677,-1017 1677,944 1419,944 1412,951 1419,853 1421,851 1593,851 1593,-939 1574,-958 857,-958 857,-951 835,-929 835,-835 795,-834 799,-838 799,-928 769,-958
1V0 on Top Layer "1V0_L01_P040" (solid, pour order 40): 1560,325 1562.08,297.08 1540,275 1540,-860 1520,-880 1340,-880 1340,-835 1510,-835 1510,325
GND on Top Layer "GND_L01_P037" (solid, remove dead copper, pour order 37): 1150,625 1490,625 1495,620 1495,460 1290,460 1285,465 1285,515 1150,515
1V0 on Top Layer "1V0_L01_P020" (solid, remove dead copper, pour order 20): 1412.08,303.65 1412.08,458.65 1492.08,458.65 1497.08,463.65 1497.08,493.65 1557.08,493.65 1562.08,488.65 1562.08,303.65
ETH_3V3 on Top Layer "ETH_3V3_L01_P036" (solid, remove dead copper, pour order 36): 550,-150 550,-228 775,-228 775,-150
GND on Top Layer "GND_L01_P032" (solid, remove dead copper, pour order 32): 504,-80 504,-150 644,-150 644,-80
1v8 on Top Layer "1V8_L01_P028" (solid, remove dead copper, pour order 28): 1580,1204.82 1557.72,1182.54 1482.72,1177.54 1472.72,952.54 1502.72,952.54 1507.72,947.54 1507.72,847.54 1347.72,847.54 1342.72,847.54 1337.72,847.54 1337.72,942.54 1357.72,942.54 1382.72,967.54 1382.72,1172.54 1427.72,1172.54 1432.72,1177.54 1432.72,1250 1580,1250
3v3 on Top Layer "3V3_L01_P026" (solid, remove dead copper, pour order 26): 1205,1195 1190,1180 1115,1175 1105,950 1135,950 1140,945 1140,845 980,845 975,845 970,845 970,940 990,940 1015,965 1015,1170 1060,1170 1065,1175 1065,1240 1205,1240
+5 on Top Layer "+5_L01_P022" (solid, remove dead copper, pour order 22): 745,905 610,905 610,785 530,785 530,480 530,381 705,381 705,705 720,720 745,720
fpga5V on Top Layer "FPGA5V_L01_P021" (solid, remove dead copper, pour order 21): 70,905 -65,905 -65,785 -145,785 -145,480 -145,440 30,440 30,705 45,720 70,720
GND on Top Layer "GND_L01_P006" (solid, pour order 6): 80,1745 -150,1745 -155,1740 -155,1500 -85,1500 -80,1495 -80,1325 70,1325 75,1330
GND on Top Layer "GND_L01_P010" (solid, pour order 10): -455,1655 -455,1360 -465,1350 -450,1335 -285,1335 -285,1260 -280,1255 -285,1250 -505,1250 -505,1640 -505,1650
GND on Top Layer "GND_L01_P011" (solid, pour order 11): -80,1325 -135,1325 -220,1240 -250,1240 -250,1105 -235,1090 -145,1090 -145,870 -160,855 -240,855 -240,760 -400,760 -400,840 -405,845 -395,855 -290,855 -290,1330 -280,1340 -180,1340 -180,1380 -145,1415 -140,1410 -80,1410
GND on Top Layer "GND_L01_P014" (solid, pour order 14): 760,1741.75 530,1741.75 525,1736.75 525,1496.75 595,1496.75 600,1491.75 600,1321.75 750,1321.75 755,1326.75
GND on Top Layer "GND_L01_P017" (solid, pour order 17): 225,1651.75 225,1356.75 215,1346.75 230,1331.75 395,1331.75 395,1256.75 400,1251.75 395,1246.75 175,1246.75 175,1636.75 175,1646.75
GND on Top Layer "GND_L01_P018" (solid, pour order 18): 600,1321.75 545,1321.75 460,1236.75 430,1236.75 430,1101.75 445,1086.75 535,1086.75 535,866.75 520,851.75 440,851.75 440,756.75 280,756.75 280,836.75 275,841.75 285,851.75 390,851.75 390,1326.75 400,1336.75 500,1336.75 500,1376.75 535,1411.75 540,1406.75 600,1406.75
+12 on Top Layer "+12_L01_P013" (solid, pour order 13): 430,1346.75 390,1346.75 385,1351.75 385,1746.75 505,1746.75 510,1751.75 515,1746.75 515,1501.75 435,1501.75 430,1496.75
Net*4_8 on Top Layer "NET*4_8_L01_P012" (solid, pour order 12): 820,1291.75 600,1291.75 580,1271.75 580,1201.75 515,1201.75 485,1231.75 440,1231.75 440,1111.75 550,1111.75 550,1016.75 555,1011.75 815,1011.75
Net*5_8 on Top Layer "NET*5_8_L01_P003" (solid, pour order 3): 140,1295 -80,1295 -100,1275 -100,1205 -165,1205 -195,1235 -240,1235 -240,1115 -130,1115 -130,1020 -125,1015 135,1015
+12 on Top Layer "+12_L01_P004" (solid, pour order 4): -250,1350 -290,1350 -295,1355 -295,1750 -175,1750 -170,1755 -165,1750 -165,1505 -245,1505 -250,1500
GND on Bottom Layer "GND_L04_P055" (solid, remove dead copper, pour order 55): -2021,2042 -2021,-2044 -1945.5,-1968.5 2124,-1968.5 2124,2015 2071,2068
1v8 on Bottom Layer (solid, pour order 51): 1562,-1018 1562,-972.8 862,-966.61 862,-950 858,-950 834,-926 799,-930 770,-959 768,-959 768,-1005 781,-1018 858,-1018
1V0 on Bottom Layer "1V0_L04_P048" (solid, pour order 48): 891,-837 888,-840 888,-877 1523,-877 1523,-834.94
+5 on Bottom Layer "+5_L04_P044" (solid, remove dead copper, pour order 44): 530,428 530,382 706,382 705,383 705,426
fpga5V on Bottom Layer "FPGA5V_L04_P031" (solid, remove dead copper, pour order 31): 1875,555 1875,440 -170,440 -170,530
+5 on Bottom Layer "+5_L04_P030" (solid, remove dead copper, pour order 30): 1875,710 1875,595 910,595 915,600 915,710
+12 on Bottom Layer "+12_L04_P029" (solid, remove dead copper, pour order 29): 1590,785 1875,785 1875,1515 1870,1520 1295,1520 1285,1510 1285,1385 1585,1385
ETH_3V3 on PWR3 (split plane): 1489.91,-14.18 1489.91,-50 1489.91,-313.91 1230,-313.91 1227.39,-314.26 1224.96,-315.26 1222.87,-316.87 1221.27,-318.96 1220.26,-321.39 1219.91,-324 1219.91,-824.91 204.18,-824.91 195.09,-815.82 195.09,-5.09 1480.82,-5.09
3v3 on PWR3 (split plane): 1783.24,1948.41 1806.21,1945.38 1828.59,1939.39 1850,1930.52 1870.06,1918.93 1888.45,1904.83 1904.83,1888.45 1918.93,1870.06 1930.52,1850 1939.39,1828.59 1945.38,1806.21 1948.41,1783.24 1948.41,1771.65 1948.41,-1771.65 1948.41,-1783.24 1945.38,-1806.21 1939.39,-1828.59 1930.52,-1850 1918.93,-1870.06 1904.83,-1888.45 1888.45,-1904.83 1870.06,-1918.93 1850,-1930.52 1828.59,-1939.39 1806.21,-1945.38 1783.24,-1948.41 1771.65,-1948.41 20.1,-1948.41 20.1,-1771.65 19.71,-1767.73 18.57,-1763.96 16.71,-1760.49 14.21,-1757.44 11.17,-1754.94 7.69,-1753.09 3.92,-1751.94 0,-1751.56 -1574.8,-1751.56 -1578.72,-1751.94 -1582.49,-1753.09 -1585.97,-1754.94 -1589.01,-1757.44 -1591.51,-1760.49 -1593.37,-1763.96 -1594.51,-1767.73 -1594.9,-1771.65 -1594.9,-1948.41 -1783.24,-1948.41 -1806.21,-1945.38 -1828.59,-1939.39 -1850,-1930.52 -1870.06,-1918.93 -1888.45,-1904.83 -1904.83,-1888.45 -1918.93,-1870.06 -1930.52,-1850 -1939.39,-1828.59 -1945.38,-1806.21 -1948.41,-1783.24 -1948.41,-1771.65 -1948.41,1771.65 -1948.41,1783.24 -1945.38,1806.21 -1939.39,1828.59 -1930.52,1850 -1918.93,1870.06 -1904.83,1888.45 -1888.45,1904.83 -1870.06,1918.93 -1850,1930.52 -1828.59,1939.39 -1806.21,1945.38 -1783.24,1948.41 -1771.65,1948.41 1771.65,1948.41
GND on GND2 (split plane): 1783.24,1948.41 1806.21,1945.38 1828.59,1939.39 1850,1930.52 1870.06,1918.93 1888.45,1904.83 1904.83,1888.45 1918.93,1870.06 1930.52,1850 1939.39,1828.59 1945.38,1806.21 1948.41,1783.24 1948.41,1771.65 1948.41,-1771.65 1948.41,-1783.24 1945.38,-1806.21 1939.39,-1828.59 1930.52,-1850 1918.93,-1870.06 1904.83,-1888.45 1888.45,-1904.83 1870.06,-1918.93 1850,-1930.52 1828.59,-1939.39 1806.21,-1945.38 1783.24,-1948.41 1771.65,-1948.41 20.1,-1948.41 20.1,-1771.65 19.71,-1767.73 18.57,-1763.96 16.71,-1760.49 14.21,-1757.44 11.17,-1754.94 7.69,-1753.09 3.92,-1751.94 0,-1751.56 -1574.8,-1751.56 -1578.72,-1751.94 -1582.49,-1753.09 -1585.97,-1754.94 -1589.01,-1757.44 -1591.51,-1760.49 -1593.37,-1763.96 -1594.51,-1767.73 -1594.9,-1771.65 -1594.9,-1948.41 -1783.24,-1948.41 -1806.21,-1945.38 -1828.59,-1939.39 -1850,-1930.52 -1870.06,-1918.93 -1888.45,-1904.83 -1904.83,-1888.45 -1918.93,-1870.06 -1930.52,-1850 -1939.39,-1828.59 -1945.38,-1806.21 -1948.41,-1783.24 -1948.41,-1771.65 -1948.41,1771.65 -1948.41,1783.24 -1945.38,1806.21 -1939.39,1828.59 -1930.52,1850 -1918.93,1870.06 -1904.83,1888.45 -1888.45,1904.83 -1870.06,1918.93 -1850,1930.52 -1828.59,1939.39 -1806.21,1945.38 -1783.24,1948.41 -1771.65,1948.41 1771.65,1948.41

## Keep-outs
Keep-Out Layer:
  the board outline again, w10

## Other copper
PWR3 (plane layer: these items are gaps in the copper):
  lines w10: 185,0 190,5
  lines w20: 185,0 185,-820 200,-835 1230,-835 1230,-324 1500,-324 1500,-50 1500,-10 1485,5 190,5

## Silkscreen, mask and mechanical layers (free items; w line width, h text height)
Mechanical 1:
  lines w10: -1575,-1965 -1575,-1768.15 0,-1768.15 ; -0.2,-1965 -0.2,-1768.15 ; 0,-1771.65 0,-1968.5 1771.65,-1968.5 ccw(c1771.65,-1771.65) 1968.5,-1771.65 1968.5,1771.65 ccw(c1771.65,1771.65) 1771.65,1968.5 -1771.65,1968.5 ccw(c-1771.65,1771.65) -1968.5,1771.65 -1968.5,-1771.65 ccw(c-1771.65,-1771.65) -1771.65,-1968.5 ; 0.2,-1771.65 -1574.8,-1771.65 -1574.8,-1968.5 -1771.65,-1968.5 ; -1771.65,-1968.5 -1771.65,-1968.5
Mechanical 6:
  text "开槽" at -995,-2266.44 h35

## Text inside footprints (layer, text, board x,y; h text height)
DSUB1: Top Overlay "13" at -1602.4,-1346.69 h35; Top Overlay "1" at -22.4,-1336.69 h35